# KiCad board Stream.kicad_pcb (continued)
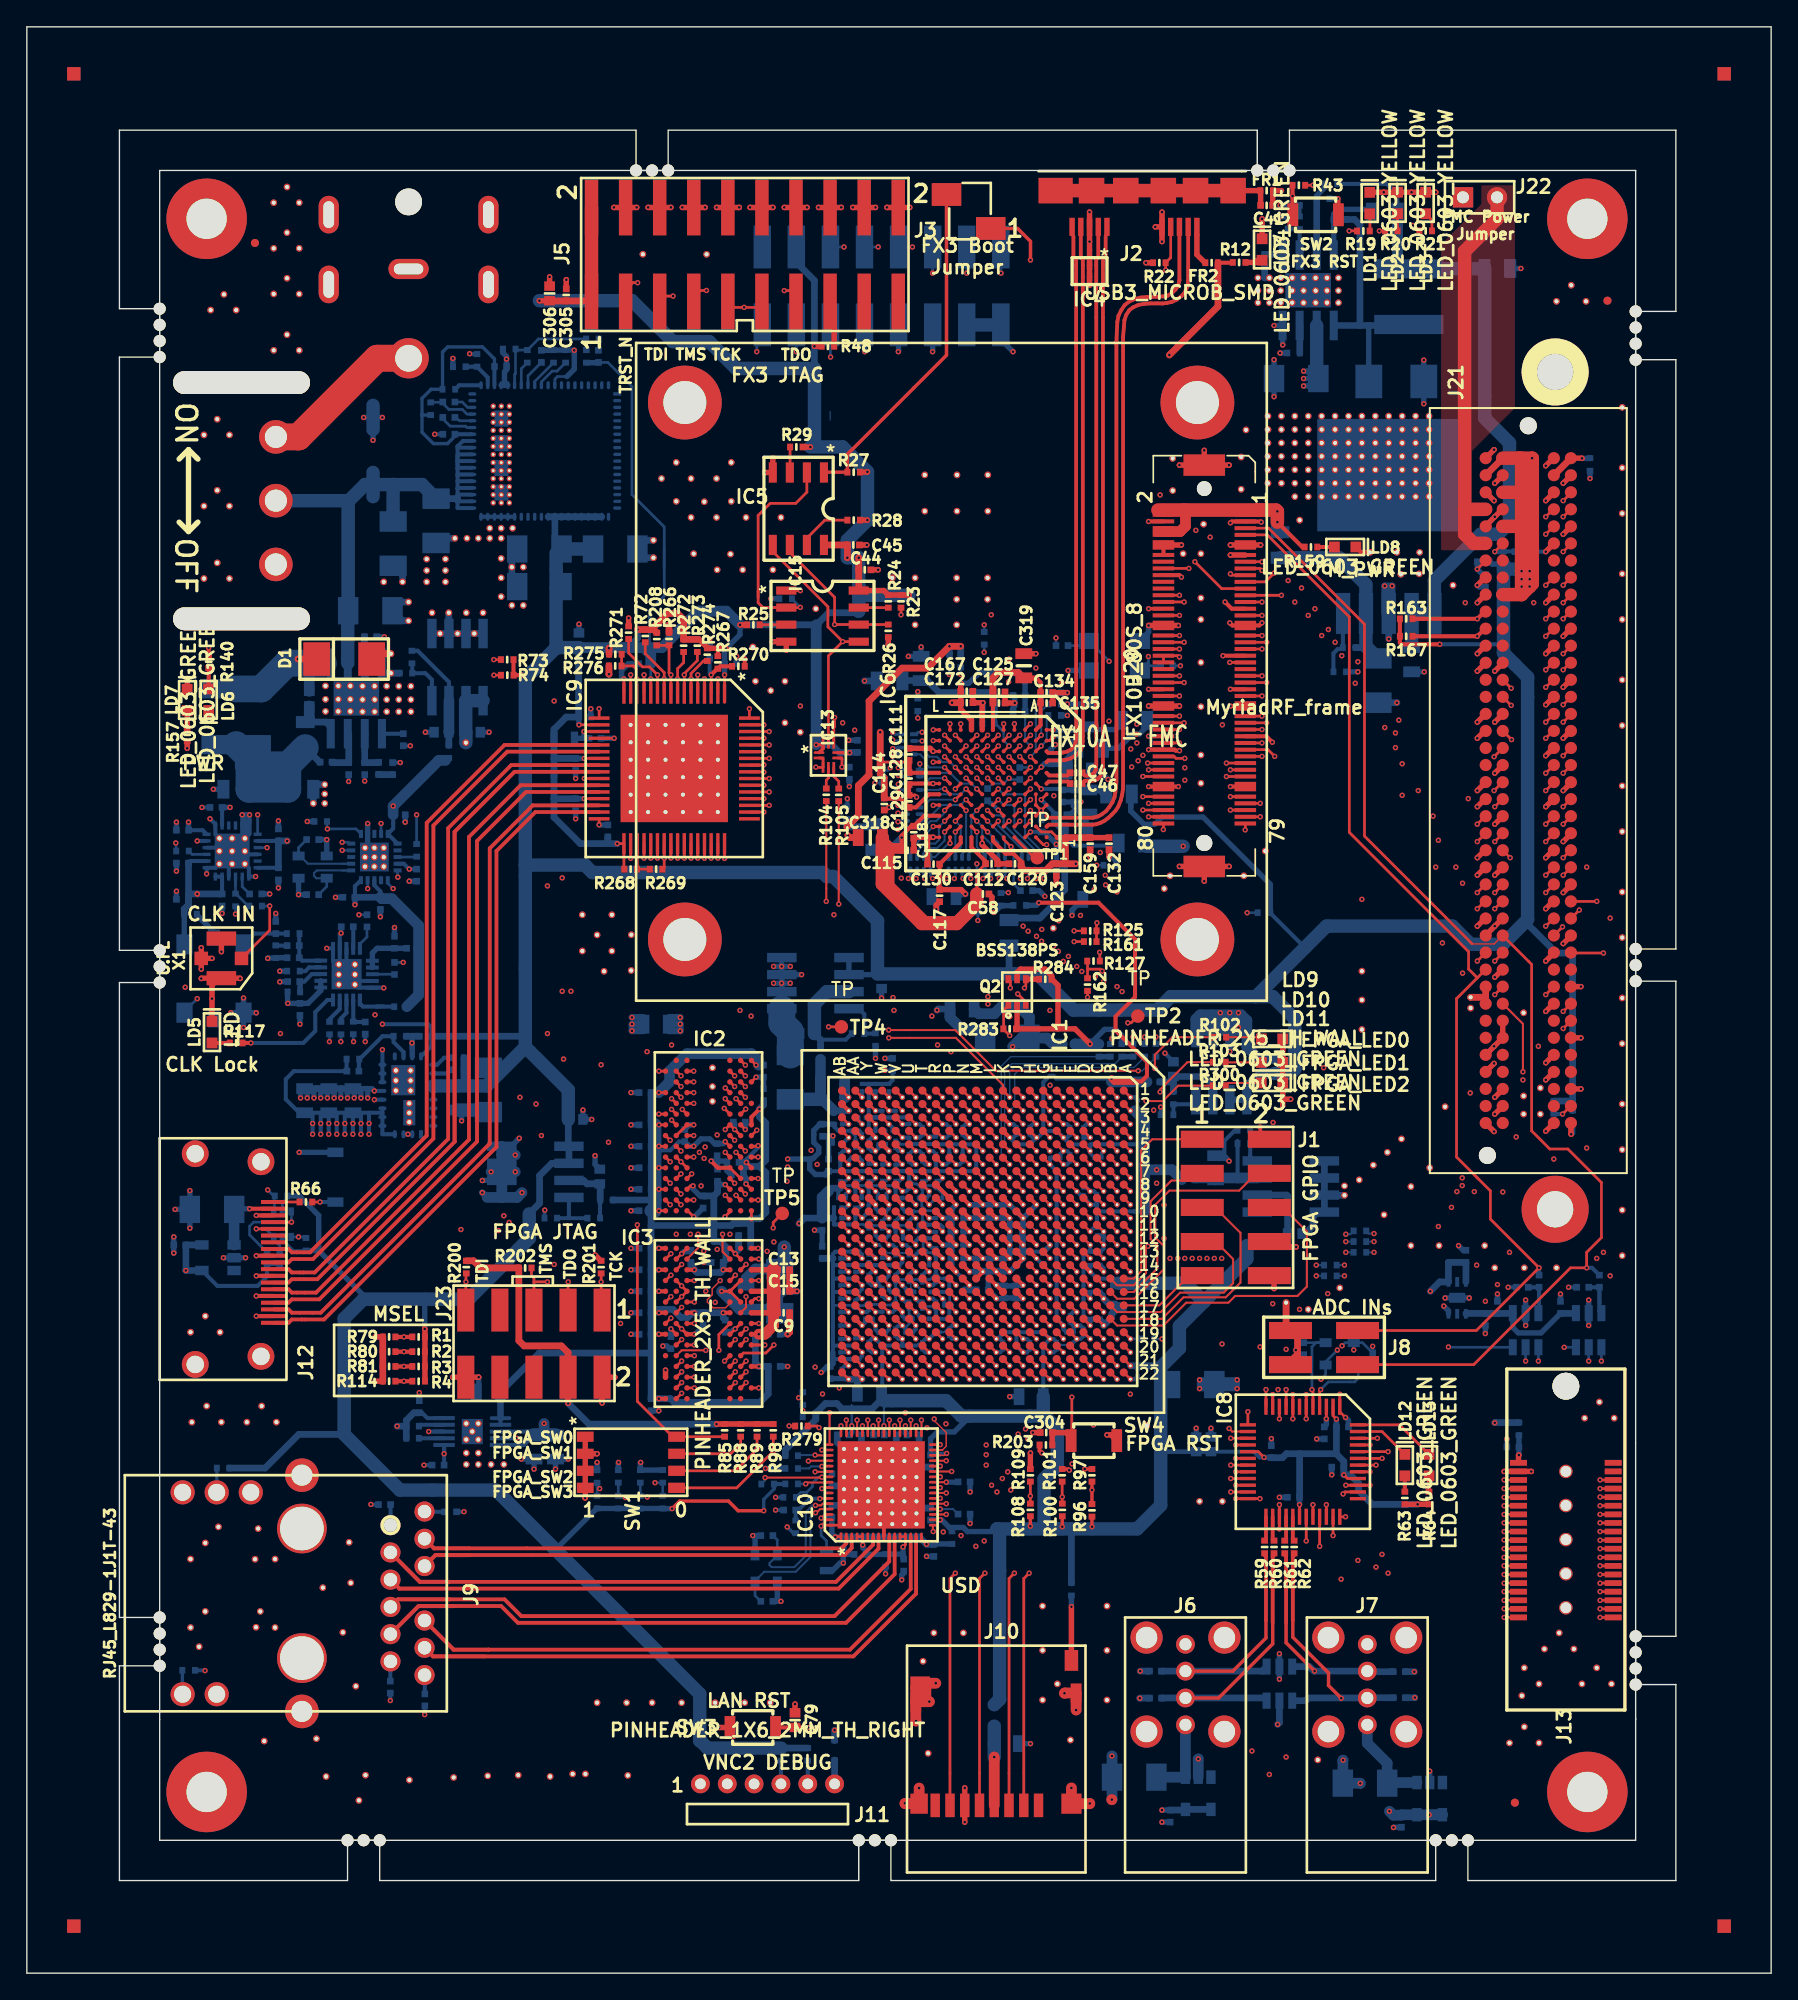
[diagram p0: board, top side]
## Routing (per net, layer and track width the routed paths; a pad name or vN(x,y) marks a point on that pad's centre or on a via; arc(x,y) is an arc through that point) (continued)
/FPGA banks 5_8/FPGA_GPIO1: length 13.1
  Top w0.15: J1.3 87.06,59.05 85.3,59.05 83.75,57.5 83.75,54.7 84.25,54.2 84.25,52.5 82.5,50.75 IC1.A16
/FPGA banks 5_8/FPGA_GPIO2: length 17.2
  Top w0.15: IC1.A18 84.6,48.75 86.2,50.35 89.35,50.35 90.45,51.45 90.45,55.15 88.56,57.04 87.6,57.04
/FPGA banks 5_8/FPGA_GPIO3: length 14.9
  Top w0.15: IC1.B17 81.25,49.25 84.5,49.25 85.95,50.7 89.2,50.7 89.9,51.4 89.9,53.2 88.6,54.5 87.6,54.5
/FPGA banks 5_8/FPGA_GPIO4: length 6.8
  Top w0.15: J1.9 86.62,51.97 84.4,49.75 IC1.A17
/FPGA banks 5_8/FPGA_GPIO5: length 23.7
  Top w0.15: 92.6,57.04 93.61,57.04 95.4,55.25 95.4,51.15 94.7,50.45 90.05,50.45 89.55,49.95 86.4,49.95 84.7,48.25 81.25,48.25 IC1.B18
/FPGA banks 5_8/FPGA_GPIO6: length 19.7
  Top w0.15: IC1.B16 81.25,50.25 82.55,50.25 84.75,52.45 84.75,54.15 84.1,54.8 84.1,57.25 85.15,58.3 90.35,58.3 91.63,59.59 J1.4
/FPGA banks 5_8/FPGA_GPIO7: length 29.3
  Top w0.2: J1.2 91.91,62.82 v1(91.91,63.04) ; IC1.B20 IC1.B20
  Inner4.Cu w0.15: v1(91.91,63.04) v1(91.91,46.66)
  Inner2.Cu w0.1: v1(91.91,46.66) 91.64,46.39 88.58,46.39 88.31,46.66 81.79,46.66 81.38,46.25 IC1.B20
/FPGA banks 5_8/Me_D0: length 47.4
  Top w0.2: v1(110.1,26.5) J13.37 ; IC1.L22 IC1.L22
  Inner5.Cu w0.1: 106.88,29.35 101.12,29.35 100.7,29.78 99.27,29.78 98.35,30.7 86.4,30.7 73.7,43.4 72.97,43.4 72.25,44.12 IC1.L22 ; 106.88,29.35 107.2,29.35 ; 106.88,29.35 107.25,29.35 v1(110.1,26.5)
/FPGA banks 5_8/Me_D1: length 48
  Top w0.2: v1(110.1,27.15) 110.11,27.14 J13.35 ; IC1.L21 IC1.L21
  Inner5.Cu w0.1: 106.2,30.78 100.65,30.78 100.07,31.35 97.35,31.35 97.05,31.05 86.45,31.05 73.85,43.65 73.15,43.65 72.75,44.05 72.75,44.75 IC1.L21 ; 106.2,30.78 106.4,30.78 ; 106.2,30.78 106.48,30.78 v1(110.1,27.15)
/FPGA banks 5_8/Me_D2: length 46.5
  Top w0.2: v1(110.1,27.78) 110.11,27.78 J13.33 ; IC1.K21 IC1.K21
  Inner5.Cu w0.1: v1(110.1,27.78) 106.2,31.68 97.2,31.68 96.88,31.35 95.93,31.35 95.57,31.7 86.22,31.7 73.75,44.18 73.75,44.75 IC1.K21
/FPGA banks 5_8/Me_D3: length 45.3
  Top w0.2: v1(110.1,28.43) 110.11,28.42 J13.31 ; IC1.J22 IC1.J22
  Inner5.Cu w0.1: 105.9,32.18 97.02,32.18 96.5,32.7 94.62,32.7 93.93,32 86.32,32 74.25,44.07 IC1.J22 ; 105.9,32.18 106.32,32.18 ; 105.9,32.18 106.35,32.18 v1(110.1,28.43)
/FPGA banks 5_8/Me_D4: length 45.3
  Top w0.2: v1(110.1,29.05) 110.11,29.06 J13.29 ; IC1.J21 IC1.J21
  Inner5.Cu w0.1: v1(110.1,29.05) 106.12,33.03 94.48,33.03 93.82,32.38 86.4,32.38 74.75,44.03 74.75,44.75 IC1.J21
/FPGA banks 5_8/Me_D5: length 43.7
  Top w0.2: v1(110.1,29.7) J13.27 ; IC1.H22 IC1.H22
  Inner5.Cu w0.1: 106.1,33.3 94.25,33.3 93.6,32.65 92.95,32.65 92.38,33.22 85.95,33.22 75.25,43.93 IC1.H22 ; 106.1,33.3 106.45,33.3 ; 106.1,33.3 106.5,33.3 v1(110.1,29.7)
/FPGA banks 5_8/Me_D6: length 44.3
  Top w0.2: v1(110.1,30.35) 110.11,30.34 J13.25 ; IC1.H21 IC1.H21
  Inner5.Cu w0.1: 106.35,33.57 86,33.57 75.75,43.82 75.75,44.75 IC1.H21 ; 106.35,33.57 106.45,33.57 ; 106.35,33.57 106.88,33.57 ; 106.45,33.57 106.85,33.57 ; 106.45,33.57 106.88,33.57 ; 106.88,33.57 v1(110.1,30.35)
/FPGA banks 5_8/Me_D7: length 40.3
  Top w0.2: v1(110.1,30.97) 110.11,30.98 J13.23 ; IC1.F22 IC1.F22
  Inner5.Cu w0.1: 106.43,34.45 87.05,34.45 IC1.F22 ; 106.43,34.45 106.6,34.45 ; 106.43,34.45 106.62,34.45 v1(110.1,30.97)
/FPGA banks 5_8/Me_D8: length 40.7
  Top w0.2: v1(110.1,31.62) 110.11,31.62 J13.21 ; IC1.F21 IC1.F21
  Inner5.Cu w0.1: v1(110.1,31.62) 104.88,36.85 99.35,36.85 97.32,38.88 82.97,38.88 77.75,44.1 77.75,44.75 IC1.F21
/FPGA banks 5_8/Me_D9: length 40.9
  Top w0.2: v1(110.1,32.28) 110.12,32.26 J13.19 ; IC1.E22 IC1.E22
  Inner5.Cu w0.1: v1(110.1,32.28) 107.38,35 107.38,38.78 105.6,40.55 90.55,40.55 89.73,41.38 80.93,41.38 78.25,44.05 IC1.E22
/FPGA banks 5_8/Me_D10: length 41.9
  Top w0.2: v1(110.1,32.9) J13.17 ; IC1.E21 IC1.E21
  Inner5.Cu w0.1: 107.65,35.95 107.65,38.93 105.73,40.85 90.68,40.85 89.85,41.68 81.1,41.68 78.75,44.03 78.75,44.75 IC1.E21 ; 107.65,35.95 107.65,35.35 ; 107.65,35.95 107.65,35.35 ; 107.65,35.35 v1(110.1,32.9)
/FPGA banks 5_8/Me_D11: length 39.6
  Top w0.2: v1(110.1,33.55) 110.11,33.54 J13.15 ; IC1.D22 IC1.D22
  Inner5.Cu w0.1: v1(110.1,33.55) 107.95,35.7 107.95,39.15 105.18,41.93 91.93,41.93 91.4,41.4 90.62,41.4 90.05,41.97 81.43,41.97 79.25,44.15 IC1.D22
/FPGA banks 5_8/Me_D12: length 39.5
  Top w0.2: v1(110.1,34.18) 110.11,34.18 J13.13 ; IC1.D21 IC1.D21
  Inner5.Cu w0.1: v1(110.1,34.18) 108.25,36.03 108.25,39.25 105.2,42.3 81.5,42.3 79.75,44.05 79.75,44.75 IC1.D21
/FPGA banks 5_8/Me_D13: length 37.3
  Top w0.2: v1(110.1,34.82) 110.11,34.82 J13.11 ; IC1.C22 IC1.C22
  Inner5.Cu w0.1: v1(110.1,34.82) 108.52,36.4 108.52,39.35 105.27,42.6 81.9,42.6 IC1.C22
/FPGA banks 5_8/Me_D14: length 36.5
  Top w0.2: v1(110.1,35.45) 110.11,35.46 J13.9 ; IC1.B22 IC1.B22
  Inner5.Cu w0.1: v1(110.1,35.45) 108.8,36.75 108.8,39.47 104.4,43.88 92.04,43.88 ; 86.31,43.08 84.07,43.08 83.28,43.88 81.62,43.88 IC1.B22
  Inner5.Cu w0.15: 86.31,43.08 91.18,43.08 91.98,43.88 92.04,43.88
/FPGA banks 5_8/Me_D15: length 36.9
  Top w0.2: v1(110.1,36.1) J13.7 ; IC1.C21 IC1.C21
  Inner5.Cu w0.1: v1(110.1,36.1) 109.1,37.1 109.1,39.62 104.1,44.62 80.88,44.62 IC1.C21
/FPGA banks 5_8/Mo_D0: length 59
  Top w0.2: v1(117.25,26.5) J13.38 ; IC1.H20 IC1.H20
  Inner2.Cu w0.1: 114.85,28.28 114.4,28.28 113.4,29.28 113.4,38.7 106.65,45.45 88.93,45.45 88.19,44.71 76.02,44.71 75.72,45.01 75.72,45.78 75.73,45.77 IC1.H20 ; 114.85,28.28 115.38,28.28 ; 114.85,28.28 115.48,28.28 v1(117.25,26.5)
/FPGA banks 5_8/Mo_D1: length 57.4
  Top w0.2: v1(117.25,27.15) 117.26,27.14 J13.36 ; IC1.F20 IC1.F20
  Inner2.Cu w0.1: 115.18,28.55 114.5,28.55 113.65,29.4 113.65,38.88 106.8,45.72 88.87,45.72 88.76,45.62 77.87,45.62 77.79,45.7 77.79,45.71 IC1.F20 ; 115.18,28.55 115.85,28.55 ; 115.18,28.55 115.85,28.55 ; 115.85,28.55 116.93,27.47 ; 115.85,28.55 v1(117.25,27.15)
/FPGA banks 5_8/Mo_D2: length 53.2
  Top w0.2: v1(117.25,27.78) 117.25,27.78 J13.34 ; IC1.D20 IC1.D20
  Inner5.Cu w0.1: 115.27,28.85 114.38,28.85 113.1,30.12 113.1,38.57 106.52,45.15 88.8,45.15 88.32,45.62 79.88,45.62 IC1.D20 ; 115.27,28.85 116.15,28.85 ; 115.27,28.85 116.18,28.85 v1(117.25,27.78)
/FPGA banks 5_8/Mo_D3: length 50.6
  Top w0.2: v1(117.25,28.43) 117.25,28.42 J13.32 ; IC1.C20 IC1.C20
  Inner5.Cu w0.1: 114.43,30.8 114.2,30.8 113.35,31.65 113.35,38.72 106.62,45.45 88.93,45.45 88.5,45.88 80.6,45.88 80.25,46.22 IC1.C20 ; 114.43,30.8 114.8,30.8 ; 114.43,30.8 114.88,30.8 v1(117.25,28.43)
/FPGA banks 5_8/Mo_D4: length 58.3
  Top w0.2: v1(117.25,29.05) 117.26,29.06 J13.30 ; IC1.K19 IC1.K19
  Inner2.Cu w0.1: 114.68,31.18 114.5,31.18 113.9,31.78 113.9,39.05 106.9,46.05 88.53,46.05 88.33,45.85 78.98,45.85 78.73,46.1 78.73,46.41 78.51,46.62 73.88,46.62 IC1.K19 ; 114.68,31.18 115.1,31.18 ; 114.68,31.18 115.12,31.18 v1(117.25,29.05)
/FPGA banks 5_8/Mo_D5: length 55.4
  Top w0.2: IC1.H19 IC1.H19 ; v1(117.25,29.7) J13.28
  Inner5.Cu w0.1: 115.48,31.07 114.32,31.07 113.62,31.78 113.62,38.82 106.7,45.75 89.07,45.75 88.2,46.62 75.88,46.62 IC1.H19 ; 115.48,31.07 115.82,31.07 ; 115.48,31.07 115.88,31.07 v1(117.25,29.7)
/FPGA banks 5_8/Mo_D6: length 53.6
  Top w0.2: v1(117.25,30.35) 117.26,30.34 J13.26 ; IC1.F19 IC1.F19
  Inner5.Cu w0.1: 115.43,31.35 114.45,31.35 113.9,31.9 113.9,38.93 106.77,46.05 89.2,46.05 88.38,46.88 77.62,46.88 IC1.F19 ; 115.43,31.35 116.2,31.35 ; 115.43,31.35 116.25,31.35 v1(117.25,30.35)
/FPGA banks 5_8/Mo_D7: length 54.2
  Top w0.2: v1(117.25,30.97) 117.25,30.98 J13.24 ; IC1.H18 IC1.H18
  Inner2.Cu w0.1: v1(117.25,30.97) 115.95,32.28 115.95,37.97 106.3,47.62 75.88,47.62 IC1.H18
/FPGA banks 5_8/Mo_D8: length 52.8
  Top w0.2: v1(117.25,31.62) 117.25,31.62 J13.22 ; IC1.G18 IC1.G18
  Inner2.Cu w0.1: v1(117.25,31.62) 116.2,32.68 116.2,38.15 106.48,47.88 76.62,47.88 IC1.G18
/FPGA banks 5_8/Mo_D9: length 54.5
  Top w0.2: v1(117.25,32.25) 117.26,32.26 J13.20 ; IC1.K18 IC1.K18
  Inner5.Cu w0.1: v1(117.25,32.25) 115.75,33.75 115.75,37.55 106.15,47.15 90.2,47.15 89.73,47.62 73.88,47.62 IC1.K18
/FPGA banks 5_8/Mo_D10: length 53.1
  Top w0.2: v1(117.25,32.9) J13.18 ; IC1.J18 IC1.J18
  Inner5.Cu w0.1: v1(117.25,32.9) 116.02,34.12 116.02,37.7 106.3,47.43 90.38,47.43 89.93,47.88 74.62,47.88 IC1.J18
/FPGA banks 5_8/Mo_D11: length 51.5
  Top w0.2: v1(117.25,33.55) 117.26,33.54 J13.16 ; IC1.G17 IC1.G17
  Inner2.Cu w0.1: v1(117.25,33.55) 116.45,34.35 116.45,38.35 106.18,48.62 76.88,48.62 IC1.G17
/FPGA banks 5_8/Mo_D12: length 50.2
  Top w0.2: v1(117.25,34.18) 117.25,34.18 J13.14 ; IC1.F17 IC1.F17
  Inner2.Cu w0.1: v1(117.25,34.18) 116.73,34.7 116.73,38.5 106.35,48.88 77.62,48.88 IC1.F17
/FPGA banks 5_8/Mo_D13: length 52.9
  Top w0.2: v1(117.25,34.82) 117.25,34.82 J13.12 ; IC1.K17 IC1.K17
  Inner5.Cu w0.1: v1(117.25,34.82) 116.3,35.78 116.3,37.85 106.43,47.72 90.52,47.72 89.62,48.62 73.88,48.62 IC1.K17
/FPGA banks 5_8/Mo_D14: length 51.5
  Top w0.2: v1(117.25,35.47) 117.26,35.46 J13.10 ; IC1.J17 IC1.J17
  Inner5.Cu w0.1: v1(117.25,35.47) 116.57,36.15 116.57,38.03 106.57,48.03 90.65,48.03 89.8,48.88 74.62,48.88 IC1.J17
/FPGA banks 5_8/Mo_D15: length 51
  Top w0.2: IC1.H17 IC1.H17 ; J13.8 v1(117.25,36.1)
  Inner5.Cu w0.1: 116.85,36.88 116.85,38.18 106.68,48.35 90.77,48.35 89.5,49.62 75.62,49.62 IC1.H17 ; 116.85,36.88 116.85,36.5 ; 116.85,36.88 116.85,36.5 ; 116.85,36.5 116.98,36.38 ; 116.85,36.5 v1(117.25,36.1)
/FPGA banks 5_8/MSEL0: length 49.4
  Top w0.2: IC1.M17 IC1.M17
  Top w0.3: R1.2 v1(28.1,47.4) R79.2
  Inner2.Cu w0.1: 52.93,46.4 56.45,46.4 56.93,46.88 71.45,46.88 71.62,47.05 71.62,48.88 IC1.M17 ; 52.9,46.4 52.1,47.2 49.53,47.2 49.12,47.6 47.88,47.6 47.45,47.18 46.47,47.18 45.86,46.56 31.9,46.56 31.28,47.18 28.32,47.18 v1(28.1,47.4)
/FPGA banks 5_8/MSEL1: length 49.7
  Top w0.2: IC1.L18 IC1.L18
  Top w0.3: R2.2 v1(28.1,46.3) R80.2
  Inner2.Cu w0.1: v1(28.1,46.3) 28.4,46 49.15,46 49.55,45.6 50.05,45.6 50.45,45.2 53.78,45.2 54.45,45.88 72.45,45.88 72.62,46.05 72.62,47.88 IC1.L18
/FPGA banks 5_8/MSEL2: length 51.9
  Top w0.2: IC1.L17 IC1.L17
  Top w0.3: R81.2 v1(28.1,45.2) R3.2
  Inner2.Cu w0.1: 47.4,46.3 47.75,46.3 47.85,46.4 49.97,46.4 50.47,46.9 51.93,46.9 52.7,46.12 56.72,46.12 57.22,46.62 71.62,46.62 71.88,46.88 71.88,48.88 IC1.L17 ; 47.4,46.3 47.05,46.3 ; 47.4,46.3 29,46.3 28.5,46.8 27.8,46.8 27.6,46.6 27.6,45.7 v1(28.1,45.2)
/FPGA banks 5_8/MSEL3: length 49
  Top w0.2: IC1.K20 IC1.K20
  Top w0.3: R114.2 v1(28.1,44.1) R4.2
  Inner2.Cu w0.1: v1(28.1,44.1) 29.57,45.57 48.15,45.57 48.53,45.2 49.2,45.2 49.6,44.8 52,44.8 52.4,44.4 54.35,44.4 55.57,45.62 72.62,45.62 IC1.K20
/Peripherals/DDC_clock: length 4.1
  Top w0.2: J12.15 v1(17.1,55.45)
  Bottom w0.2: R68.2 18.85,54.2 18.4,54.65 Q1.3 17.8,55.45 v1(17.1,55.45)
/Peripherals/DDC_data: length 7.9
  Top w0.2: v1(19.72,55.95) J12.16
  Bottom w0.2: Q1.6 19.72,56.72 v1(19.72,55.95) 16.9,55.95 16.6,55.65 16.6,55 17.83,53.77 R69.2
  Bottom w0.3: 19.71,55.97 v1(19.72,55.95)
/Peripherals/TX0+: length 103.8
  Top w0.2: 21.65,51.7 31.82,61.88 31.82,85.03 36.3,89.5 IC9.25
  Top w0.28: J12.7 19.5,51.45 19.75,51.7 21.65,51.7 31.9,61.95 31.9,85.05 36.35,89.5 IC9.25
/Peripherals/TX0-: length 53.6
  Top w0.28: J12.9 19.5,52.45 19.75,52.2 21.45,52.2 31.4,62.15 31.4,85.3 36.1,90 IC9.24
/Peripherals/TX1+: length 53.1
  Top w0.28: J12.4 19.5,49.95 19.75,50.2 21.8,50.2 33.55,61.95 33.55,84.35 37.2,88 IC9.28
/Peripherals/TX1-: length 53.2
  Top w0.28: J12.6 19.5,50.95 19.75,50.7 21.55,50.7 32.95,62.1 32.95,84.65 36.8,88.5 IC9.27
/Peripherals/TX2+: length 52.9
  Top w0.28: J12.1 19.5,48.45 19.75,48.7 22.15,48.7 35,61.55 35,83.6 37.9,86.5 IC9.31
/Peripherals/TX2-: length 52.9
  Top w0.28: J12.3 19.5,49.45 19.75,49.2 21.9,49.2 34.5,61.8 34.5,83.8 37.7,87 IC9.30
/Peripherals/TXC+: length 53.7
  Top w0.28: J12.10 19.5,52.95 19.75,53.2 21.32,53.2 30.3,62.18 30.3,85.5 35.8,91 IC9.22
/Peripherals/TXC-: length 53.7
  Top w0.28: J12.12 19.5,53.95 19.75,53.7 21.1,53.7 29.8,62.4 29.8,85.7 35.6,91.5 IC9.21
/USB 2.0 Host/DM1: length 22.9
  Top w0.25: J6.2 88.82,20.5 92.85,24.53 92.85,26.1
  Top w0.28: 92.85,26.1 92.85,31.05 92.95,31.15 R60.1
  Bottom w0.5: IC7.6 92.2,20.5 J6.2 84.58,20.5 C54.1
/USB 2.0 Host/DM2: length 20.1
  Top w0.25: v1(97.96,20.48) 97.01,21.43 97.01,22.37 94.35,25.03 94.35,26.3
  Top w0.28: 94.35,26.3 94.35,31.05 94.45,31.15 R62.1
  Bottom w0.25: v1(97.96,20.48) 97.96,20.5 97.96,20.45 97.97,20.45 97.97,20.5
  Bottom w0.5: IC7.4 95.31,20.3 95.51,20.5 J7.2 99.92,20.52 C53.1
/USB 2.0 Host/DP1: length 21.4
  Top w0.25: J6.3 89.88,22.5 92.35,24.97 92.35,26.32
  Top w0.28: 92.35,26.3 92.35,31.05 92.25,31.15 R59.1
  Bottom w0.5: IC7.1 92.06,22.5 J6.3 C51.1
/USB 2.0 Host/DP2: length 17.4
  Top w0.25: v1(95.97,22.5) 93.85,24.62 93.85,26.1
  Top w0.28: 93.85,26.1 93.85,31.05 93.75,31.15 R61.1
  Bottom w0.25: v1(95.97,22.5) 95.93,22.5
  Bottom w0.5: IC7.3 95.59,22.84 95.93,22.5 J7.3 99.94,22.46 C56.1
/USB 2.0 Host/LED1: length 4.2
  Top w0.2: LD12.2 101,40.35 IC8.47
/USB 2.0 Host/LED2: length 6.2
  Top w0.2: LD13.2 102.3,40.85 IC8.48
/USB 2.0 Host/SD_CLK: length 53.5
  Top w0.2: v1(71.4,29.8) 71,29.4 J10.5 ; v1(100.1,37.35) IC8.41
  Inner6.Cu w0.15: v1(99.2,30.75) 99.1,30.65 72.25,30.65 v1(71.4,29.8)
  Inner4.Cu w0.15: v1(100.1,37.35) 99.2,36.45 v1(99.2,30.75)
/USB 2.0 Host/SD_CS: length 55.5
  Top w0.2: v1(74.7,29.8) 74.3,29.4 J10.2 ; v1(101.45,38.85) IC8.44
  Inner6.Cu w0.15: v1(101.45,29.8) v1(74.7,29.8)
  Inner4.Cu w0.15: v1(101.45,38.85) v1(101.45,29.8)
/USB 2.0 Host/SD_DETECT: length 33.6
  Top w0.2: v1(98.1,35.7) 98.25,35.85 IC8.38
  Top w0.4: J10.9 v1(77.85,27.3)
  Inner6.Cu w0.15: v1(77.85,27.3) 79.9,29.35 v1(97.95,29.35)
  Inner4.Cu w0.2: v1(97.95,29.35) 97.95,33.15 97.65,33.45 97.65,35.25 v1(98.1,35.7)
  Bottom w0.4: R129.2 v1(77.85,27.3)
/USB 2.0 Host/SD_MISO: length 58.8
  Top w0.2: v1(69.2,29.8) 68.8,29.4 J10.7 ; v1(101,38.35) IC8.43
  Inner6.Cu w0.15: v1(101,31.2) 70.6,31.2 v1(69.2,29.8)
  Inner4.Cu w0.15: v1(101,38.35) v1(101,31.2)
/USB 2.0 Host/SD_MOSI: length 53.6
  Top w0.2: v1(73.6,29.8) 73.2,29.4 J10.3 ; v1(100.55,37.85) IC8.42
  Inner6.Cu w0.15: v1(100.55,30.25) 74.05,30.25 v1(73.6,29.8)
  Inner4.Cu w0.15: v1(100.55,30.25) v1(100.55,37.85)
/USB 3.0 Device (FX3)/D+: length 50.9
  Top w0.28: 81.2,121.43 81.2,88.74 81.18,88.37 81.12,87.96 81.06,87.61 80.9,87.22 80.67,86.87 80.43,86.57 80.11,86.33 79.84,86.18 79.45,86.08 76.15,86.08 76,86.22 IC6.A9 ; 81.2,121.43 81.2,121.47 ; 81.2,121.43 81.27,123.02 81.36,123.48 81.58,123.92 81.82,124.27 82.19,124.56 82.58,124.73 83.02,124.83 83.46,124.87 83.86,124.89 84.3,124.89 84.7,124.92 85.02,124.97 85.32,125.15 85.62,125.44 85.81,125.73 85.9,126.11 85.9,129.5
/USB 3.0 Device (FX3)/D-: length 51.9
  Top w0.28: 86.55,129.5 86.55,126.1 86.51,125.67 86.28,125.2 86.05,124.94 85.7,124.68 85.33,124.51 84.97,124.43 84.64,124.39 84.27,124.4 83.72,124.4 83.21,124.35 82.85,124.29 82.44,124.1 82.17,123.9 81.94,123.55 81.8,123.15 81.77,122.73 81.7,121.9 81.7,88.45 81.69,88.21 81.63,87.79 81.52,87.37 81.34,86.91 81.15,86.62 80.86,86.31 80.6,86.07 80.31,85.85 80.03,85.71 79.72,85.6 79.42,85.56 76.15,85.56 76.01,85.43 IC6.A10
/USB 3.0 Device (FX3)/FX3_FLASH1_SNN: length 41.5
  Top w0.2: v1(74.8,93.07) 74.4,92.68 IC6.C1
  Top w0.25: v1(74.8,127.63) 74.8,129.02 73.84,129.98 J3.1
  Inner4.Cu w0.15: 74.8,121.45 74.8,122.05 ; 74.8,121.45 74.8,124.8 ; 74.8,121.45 v1(74.8,93.07) ; 74.8,124.8 74.8,125.8 ; 74.8,124.8 v1(74.8,127.63)
/USB 3.0 Device (FX3)/FX3_FLASH2_SNN: length 26.3
  Top w0.2: v1(57.65,103) 57.65,103 IC15.1 ; v1(65.15,101.2) R23.2 ; IC6.F2 v1(72.4,92.22)
  Inner6.Cu w0.1: v1(57.65,103) 59.1,103 60.9,101.2 v1(65.15,101.2) v1(71.88,101.2)
  Inner4.Cu w0.1: v1(71.88,101.2) 72.4,100.67 v1(72.4,92.22)
/USB 3.0 Device (FX3)/FX3_GPIO0: length 41.5
  Top w0.2: IC6.K2 v1(68.4,92.22)
  Inner4.Cu w0.15: 67.1,98.4 67.1,97.92 ; 67.1,97.92 67.1,93.72 68.05,92.78 68.05,92.57 v1(68.4,92.22) ; 67.1,97.92 67.1,106.16 60.9,112.36 v1(60.9,128.6)
  Bottom w0.2: v1(60.9,128.6) J4.5
/USB 3.0 Device (FX3)/FX3_GPIO1: length 42.4
  Top w0.2: IC6.J4 v1(69.2,90.62)
  Inner4.Cu w0.15: 67.43,98.22 67.43,97.8 ; 67.43,97.8 67.43,93.88 68.8,92.5 68.8,91.82 69.2,91.43 v1(69.2,90.62) ; 67.43,97.8 67.43,106.34 63.45,110.32 v1(63.45,128.6)
  Bottom w0.2: v1(63.45,128.6) J4.7
/USB 3.0 Device (FX3)/FX3_GPIO2: length 38.4
  Top w0.2: IC6.K1 v1(68.8,93.07)
  Inner4.Cu w0.15: 67.75,98.05 67.75,97.85 ; 67.75,97.85 67.75,94.12 v1(68.8,93.07) ; 67.75,97.85 67.75,105 ; 67.75,105 67.75,105.03 ; 67.75,105 67.75,106.54 66,108.29 v1(66,128.6)
  Bottom w0.2: v1(66,128.6) J4.9
/USB 3.0 Device (FX3)/FX3_GPIO3: length 38.9
  Top w0.2: v1(69.2,92.22) IC6.J2
  Inner4.Cu w0.15: 68.07,97.88 68.07,97.67 ; 68.07,97.67 68.07,94.47 69.2,93.35 v1(69.2,92.22) ; 68.07,97.67 68.07,118.1 ; 68.07,119.12 68.07,119.11 68.07,118.1 ; 68.07,118.1 68.07,126.08 v1(67.5,126.65)
  Bottom w0.15: 69.2,92.23 v1(69.2,92.22)
  Bottom w0.2: v1(67.5,126.65) 67.51,126.66 J4.11
/USB 3.0 Device (FX3)/FX3_GPIO4: length 37.2
  Top w0.2: IC6.J1 v1(69.6,93.07)
  Inner4.Cu w0.15: 70.25,102.58 70.25,102.35 ; 70.25,102.58 70.25,118.55 ; 70.25,102.58 70.25,93.72 v1(69.6,93.07) ; 70.25,118.55 70.25,119.17 ; 70.25,118.55 70.25,126.45 v1(70.05,126.65)
  Bottom w0.2: v1(70.05,126.65) J4.13
/USB 3.0 Device (FX3)/FX3_GPIO5: length 39.8
  Top w0.2: v1(70,91.43) IC6.J3
  Inner4.Cu w0.15: 70.7,102.42 70.7,102.35 ; 70.7,102.42 70.7,117.35 ; 70.7,102.42 70.7,93.47 70,92.78 v1(70,91.43) ; 70.7,117.35 70.7,118.21 ; 70.7,117.35 70.7,124.75 v1(72.6,126.65)
  Bottom w0.2: v1(72.6,126.65) 72.59,126.66 J4.15
/USB 3.0 Device (FX3)/FX3_LED0: length 63.3
  Top w0.2: v1(98.55,129.8) 99.13,129.8 ; v1(70.8,92.22) IC6.H2
  Inner6.Cu w0.15: 76.43,93.05 76.75,93.05 ; v1(82.72,93.05) 82.47,92.8 77.2,92.8 76.95,93.05 76.75,93.05 ; 76.75,93.05 75.45,93.05 75.03,92.62 71.2,92.62 v1(70.8,92.22)
  Inner4.Cu w0.15: 82.72,117.75 82.72,118.5 ; 82.72,117.75 82.72,118.4 ; 82.72,117.75 v1(82.72,93.05) ; 82.72,118.4 82.72,118.88 ; 82.72,118.4 82.72,121.72 88.52,127.53 ; 88.52,127.53 88.7,127.7 ; 88.52,127.53 89.95,128.95 95.1,128.95 95.95,129.8 v1(98.55,129.8)
/USB 3.0 Device (FX3)/FX3_LED1: length 68
  Top w0.2: 101.33,129.8 v1(100.8,129.8) ; v1(70.8,91.43) IC6.H3
  Inner6.Cu w0.15: v1(82.28,91.2) 82.15,91.07 76.53,91.07 75.78,91.82 71.2,91.82 v1(70.8,91.43)
  Inner4.Cu w0.15: 82.28,118.75 82.28,118.95 ; 82.28,118.75 82.28,118.6 ; 82.28,118.75 82.28,119.08 ; 82.28,118.6 82.28,118.15 ; 82.28,118.6 82.28,119.12 ; 82.28,118.15 v1(82.28,91.2) ; 82.28,118.15 82.28,121.92 88.18,127.83 ; 88.18,127.83 88.4,128.05 ; 88.18,127.83 89.65,129.3 94.84,129.3 ; 94.84,129.3 95.86,130.32 100.3,130.32 100.8,129.82 v1(100.8,129.8) ; 94.84,129.3 94.85,129.3
/USB 3.0 Device (FX3)/FX3_LED2: length 69.3
  Top w0.2: v1(103.3,130.2) 103.7,129.8 R21.1 ; v1(71.6,90.62) IC6.F4
  Inner6.Cu w0.15: v1(71.6,90.62) 72,91.03 75.25,91.03 75.55,90.72 v1(83.18,90.72)
  Inner4.Cu w0.15: 83.18,118 83.18,118.05 ; 83.18,118 83.18,93 ; 83.18,118 83.18,121.53 88.88,127.22 ; 83.18,118 83.18,118.45 ; 83.18,93 83.18,92.65 ; 83.18,93 v1(83.18,90.72) ; 83.18,118.45 83.18,118.78 ; 83.18,118.45 83.18,118.83 ; 88.88,127.22 89,127.35 ; 88.88,127.22 90.25,128.6 95.3,128.6 95.7,129 102.1,129 v1(103.3,130.2)
/USB 3.0 Device (FX3)/FX3_SPI_MOSI_LS: length 1.6
  Top w0.2: R104.2 59.58,88.88 59.74,89.04 IC13.4
/USB 3.0 Device (FX3)/FX3_SPI_SCK_LS: length 1.7
  Top w0.2: R105.2 60.51,88.79 60.14,89.16 IC13.5
/USB 3.0 Device (FX3)/OTG_ID: length 55.7
  Top w0.2: v1(84.88,126.88) 84.87,126.88 R22.1 85.25,127.81 85.25,129.5 ; v1(74.8,86.62) IC6.C9
  Inner6.Cu w0.15: v1(80,83.49) 77.65,85.84 77.65,86.11 76.74,87.03 75.2,87.03 v1(74.8,86.62)
  Inner4.Cu w0.15: v1(84.88,126.88) 81.2,123.2 81.2,84.69 v1(80,83.49)
/USB 3.0 Device (FX3)/SSRX+: length 40.5
  Top w0.2: 78,129.4 77.9,129.5
  Top w0.28: 78,129.4 78,127.88 78.2,127.67 IC4.5 IC4.6 78.2,92.02 78.16,91.7 78.05,91.38 77.82,91.16 77.54,91.01 77.24,90.94 76.75,90.9 76.12,90.9 IC6.A3
/USB 3.0 Device (FX3)/SSRX-: length 41.3
  Top w0.28: 78.55,129.5 78.55,127.83 78.7,127.67 IC4.4 IC4.7 78.7,92.12 78.69,91.79 78.65,91.4 78.54,91.09 78.33,90.84 78.1,90.67 77.76,90.49 77.33,90.37 76.93,90.35 76.12,90.35 IC6.A4
/USB 3.0 Device (FX3)/SSTX+: length 42.1
  Top w0.28: 79.7,93.03 IC4.9 IC4.2 79.7,127.67 79.85,127.83 79.85,129.5 ; 79.7,93.03 79.7,92.15 ; 79.7,93.03 79.7,92.15 ; 79.7,92.15 79.7,89.98 79.68,89.71 79.61,89.52 79.47,89.36 79.24,89.24 79.05,89.22 78.85,89.22 C47.1
/USB 3.0 Device (FX3)/SSTX-: length 42.6
  Top w0.2: 80.4,129.4 80.5,129.5
  Top w0.28: 80.4,129.4 80.4,127.88 80.2,127.67 IC4.1 IC4.10 80.2,91.94 ; 80.2,91.94 80.2,92.07 80.2,91.9 ; 80.2,91.94 80.2,89.87 80.17,89.62 80.1,89.38 80.01,89.18 79.8,88.96 79.62,88.86 79.35,88.83 78.85,88.83 ; 78.85,88.83 C46.1 78.85,88.83
/USB 3.0 Device (FX3)/TCK_FX3: length 53.4
  Top w0.15: 54.34,124.1 J5.11 ; 52.69,124.1 J5.9
  Top w0.2: v1(71.6,89.03) IC6.F6 ; 54.34,124.1 v1(53.46,124.1) 52.69,124.1
  Inner3.Cu w0.15: v1(53.46,124.1) 65.97,124.1 70.75,119.32 70.75,92.88 71.2,92.43 71.2,89.43 v1(71.6,89.03)
/USB 3.0 Device (FX3)/TDI_FX3: length 59.1
  Top w0.15: 47.21,124.5 J5.5 47.56,124.94
  Top w0.2: v1(48.16,124.94) 47.56,124.94 ; IC6.E7 v1(73.2,88.22)
  Inner3.Cu w0.15: v1(48.16,124.94) 53.41,124.94 53.95,124.4 66.19,124.4 72.38,118.22 72.38,92.82 72.8,92.4 72.8,88.62 v1(73.2,88.22)
/USB 3.0 Device (FX3)/TDO_FX3: length 55.8
  Top w0.2: 57.32,124.83 J5.13 57.32,124.88 56.85,125.35 v1(56.45,125.35) ; IC6.C10 v1(74.8,85.82)
  Inner3.Cu w0.15: 58.8,125.38 66.35,125.38 73.9,117.83 73.9,97.35 74.4,96.85 74.4,86.22 v1(74.8,85.82) ; 58.8,125.38 58.26,125.38 ; 58.8,125.38 56.48,125.38 v1(56.45,125.35)
/USB 3.0 Device (FX3)/TMS_FX3: length 58.5
  Top w0.2: J5.7 49.71,124.86 50.21,125.36 v1(50.65,125.36) ; v1(73.2,87.43) IC6.E8
  Inner3.Cu w0.15: v1(50.65,125.36) 53.48,125.36 53.99,124.85 66.3,124.85 72.72,118.42 72.72,93.85 73.2,93.38 73.2,92.85 73.6,92.45 73.6,87.82 v1(73.2,87.43)
/USB 3.0 Device (FX3)/TRST_N_FX3: length 70.3
  Top w0.2: v1(76,84.07) 75.75,84.07 IC6.B11 ; J5.3 44.62,125.41 45.16,125.94 v1(45.52,125.94)
  Inner3.Cu w0.15: v1(76,84.07) 76,117.31 67.36,125.95 45.53,125.95 v1(45.52,125.94)
ADC3P3V: length 10.1
  Bottom w0.4: C173.1 112.85,47.7 111.15,47.7 110.75,48.1 U10.1
  Bottom w0.5: U10.1 110.73,49.15 C204.1 C170.1 107.27,49.15 U8.1 ; U9.1 115.43,49.15 C173.1
ADC_SPI_CS0: length 41.7
  Top w0.2: IC1.F13 IC1.F13
  Inner2.Cu w0.1: 94.35,52.43 83.93,52.43 83.47,52.88 77.62,52.88 IC1.F13
  Inner2.Cu w0.15: 94.35,52.43 97.55,49.22 111.98,49.22 v1(114.57,46.62)
  Bottom w0.2: v1(114.57,46.62) 114.58,46.63 U9.6
ADC_SPI_CS1: length 30.8
  Top w0.2: IC1.B19 IC1.B19
  Inner2.Cu w0.1: v1(105.95,46.65) 105.27,47.32 88.73,47.32 88.28,46.88 81.62,46.88 IC1.B19
  Bottom w0.2: v1(105.95,46.65) 105.97,46.63 U10.6
CLK_FPGA0: length 63.5
  Top w0.1: IC1.T2 IC1.T2
  Top w0.2: TP4.1 v1(59.75,70.5)
  Inner6.Cu w0.15: 65.8,66.7 65.77,66.7 ; 65.77,66.7 63.57,66.7 ; 65.77,66.7 66.06,66.7 66.7,66.06 66.7,64.8 IC1.T2 ; 63.57,66.7 58.03,72.25 28.1,72.25 27.25,71.4 v1(25.95,71.4) ; 63.57,66.7 59.78,70.5 v1(59.75,70.5)
  Inner4.Cu w0.15: v1(27.3,80.8) 27.3,78.4 25.95,77.05 v1(25.95,71.4)
  Bottom w0.2: v1(27.3,80.8) 26.9,81.2 IC11.16
CLK_FPGA1: length 61.7
  Top w0.2: v1(55.62,55.53) 55.62,55.93 TP5.1 ; IC1.AA12 IC1.AA12
  Inner4.Cu w0.15: v1(27.65,81.65) 27.97,81.32 27.97,79.38 30.8,76.55 30.8,56.95 v1(32.35,55.4)
  Inner1.Cu w0.15: 62.25,54.26 61.77,54.74 56.41,54.74 v1(55.62,55.53) 48.18,55.53 47.53,54.88 32.88,54.88 v1(32.35,55.4)
  Inner1.Cu w0.2: IC1.AA12 62.25,54.26
  Bottom w0.2: v1(27.65,81.65) 27.62,81.68 IC11.15
CLK_FPGA2: length 103.7
  Top w0.2: TP2.1 82.3,70.8 v1(82.05,70.8) ; IC1.A12 IC1.A12
  Inner6.Cu w0.15: 30.5,72.7 58.4,72.7 60.3,70.8 v1(82.05,70.8) ; 30.5,72.7 29.4,72.7 ; 30.5,72.7 21.75,72.7 21.35,73.1 18.05,73.1 17.7,73.45 13.55,73.45 ; 13.55,73.45 12.7,73.45 ; 13.55,73.45 v1(11.8,73.45)
  Inner4.Cu w0.1: v1(82.05,70.8) 82.05,70.53 81.88,70.35 81.88,54.62 IC1.A12
  Inner4.Cu w0.15: v1(12.7,84.35) 11.8,83.45 v1(11.8,73.45)
  Bottom w0.3: IC12.5 v1(12.7,84.35)
CLK_IN: length 93
  Top w0.2: v1(89.7,86.65) J20.75
  Inner5.Cu w0.15: 60.05,84.15 67.95,84.15 68.4,84.6 79.45,84.6 80.55,85.7 88.75,85.7 v1(89.7,86.65) ; 60.05,84.15 58.7,84.15 ; 60.05,84.15 45,84.15 44.26,83.41 ; 44.26,83.41 44.25,83.4 ; 44.26,83.41 39.94,83.41 37.05,86.3 v1(17.2,86.3)
  Inner3.Cu w0.15: v1(17.2,86.3) v1(29.05,86.3)
  Bottom w0.2: v1(29.05,86.3) R119.1 ; IC12.13 v1(17.2,86.3)
DDR0_CLKn: length 31.1
  Top w0.2: IC1.U8 IC1.U8 ; v1(48.05,64.35) IC2.K8
  Inner1.Cu w0.1: 48.57,57.65 48.85,57.65 ; 48.85,57.65 49,57.65 49.32,57.97 51.5,57.97 51.93,57.55 53.15,57.55 53.25,57.65 53.95,57.65 54.26,57.96 57.56,57.96 58.22,58.62 65.88,58.62 IC1.U8 ; 48.85,57.65 48.05,57.65 47.95,57.75 46.28,57.75 45.9,58.12 45.9,62.72 ; 45.9,62.72 45.9,62.97 ; 45.9,62.72 45.9,63.45 46.85,64.4 48,64.4 v1(48.05,64.35)
DDR0_CLKp: length 29.7
  Top w0.2: v1(48.05,63.55) IC2.J8 ; IC1.U7 IC1.U7
  Inner1.Cu w0.1: 46.2,62.62 46.2,58.18 46.38,58 48,58 48.55,58.55 48.93,58.55 49.25,58.22 51.65,58.22 51.78,58.35 52.6,58.35 52.68,58.43 54.03,58.43 54.25,58.2 57.38,58.2 58.05,58.88 65.88,58.88 IC1.U7 ; 46.2,62.62 46.2,62.93 ; 46.2,62.62 46.2,63.3 46.53,63.62 47.97,63.62 v1(48.05,63.55)
